# Altium PCB ГРЛМ.687253.024.PcbDoc (part 1 of 2)
Units mm, origin at the board's own origin, x right, y up, seen from the top; angles counter-clockwise.
Board outline 254 x 119 mm, 4 copper layers (Top Layer, GND, VCC, Bottom Layer), stack 1.65 mm thick; 204 components, 147 nets, 649 pads, 198 vias.
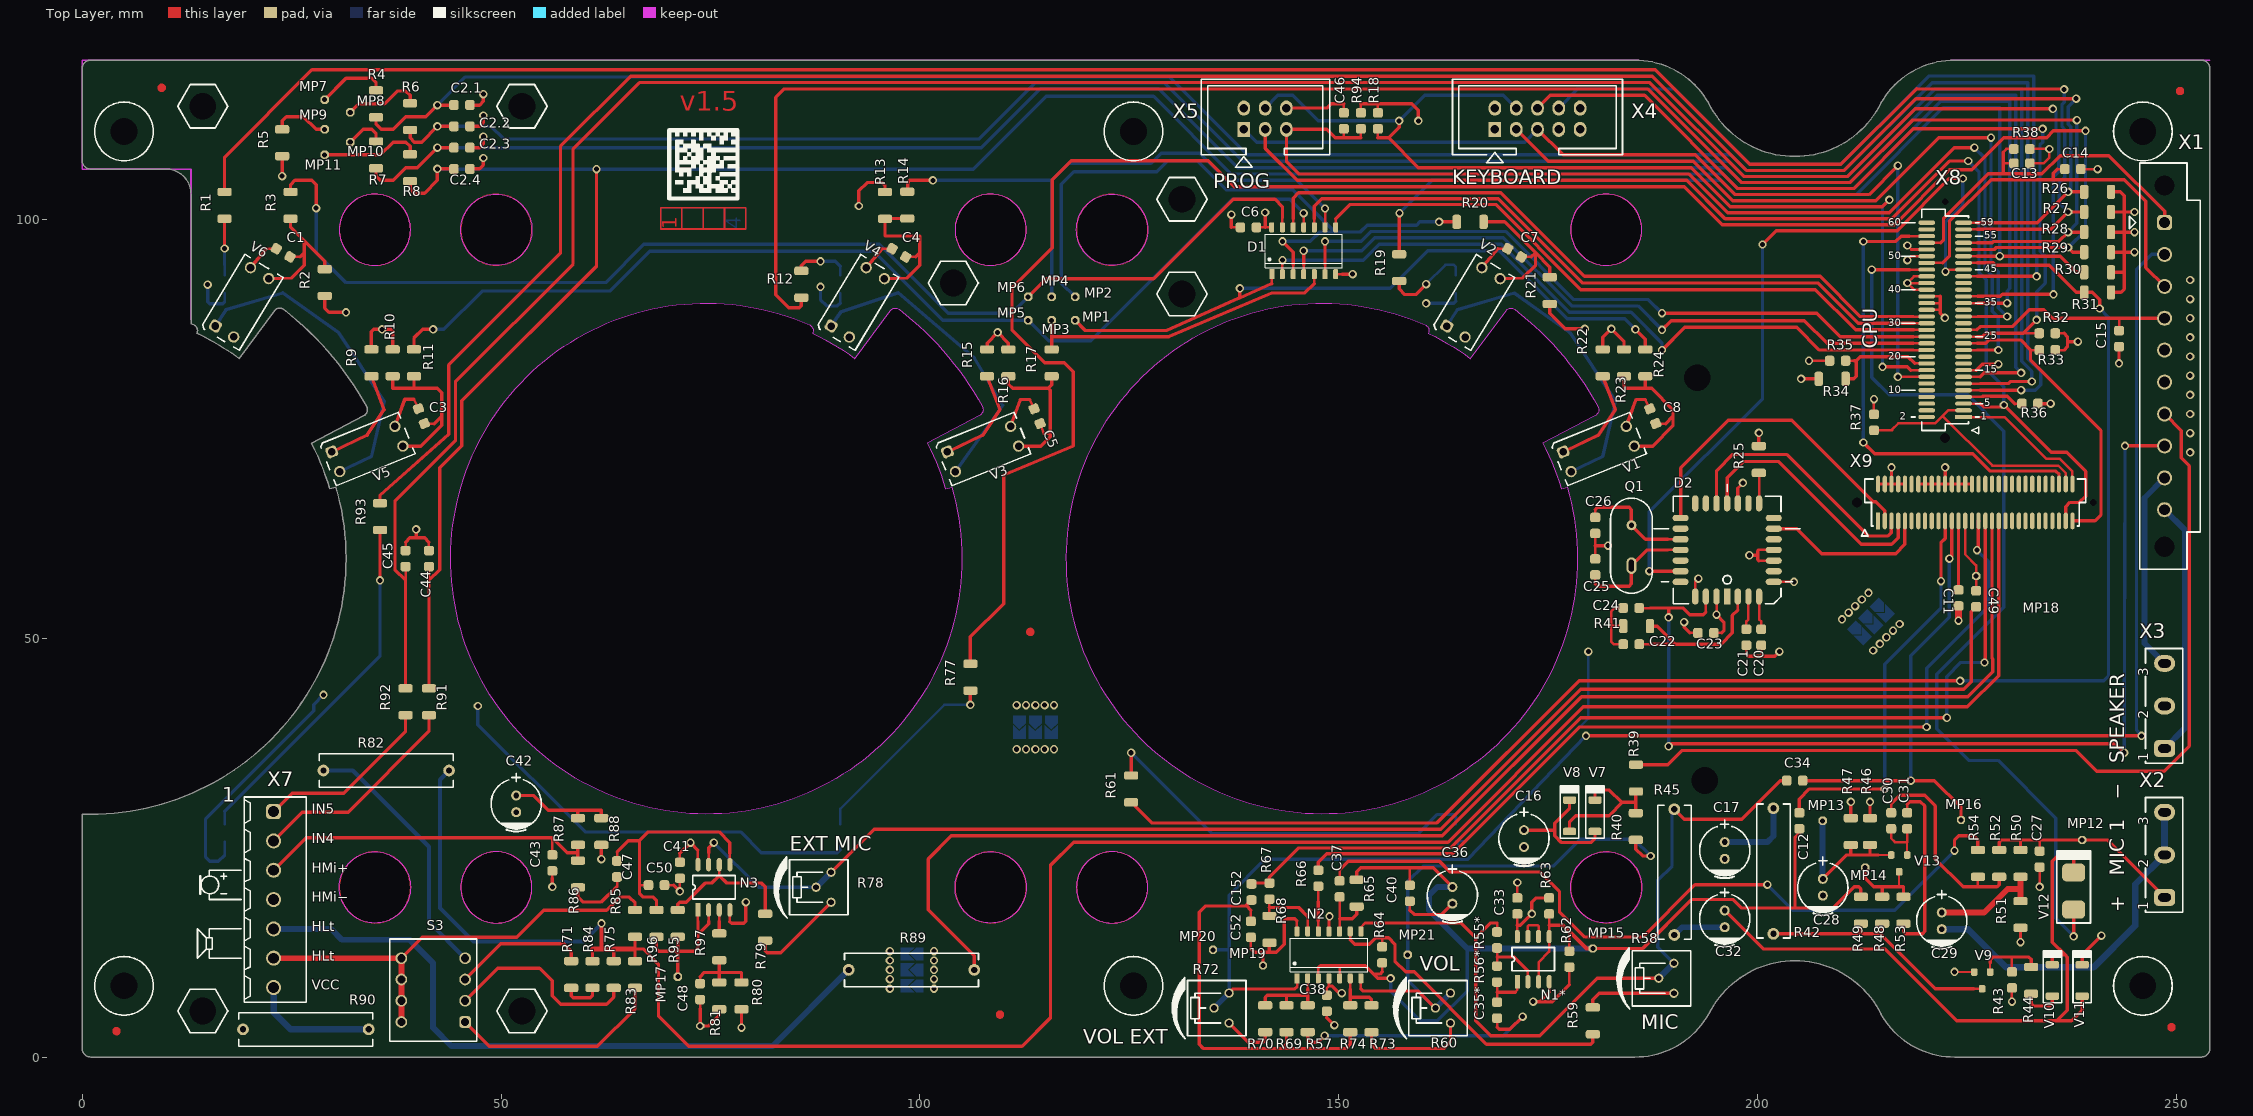
[diagram p0: Top Layer view]
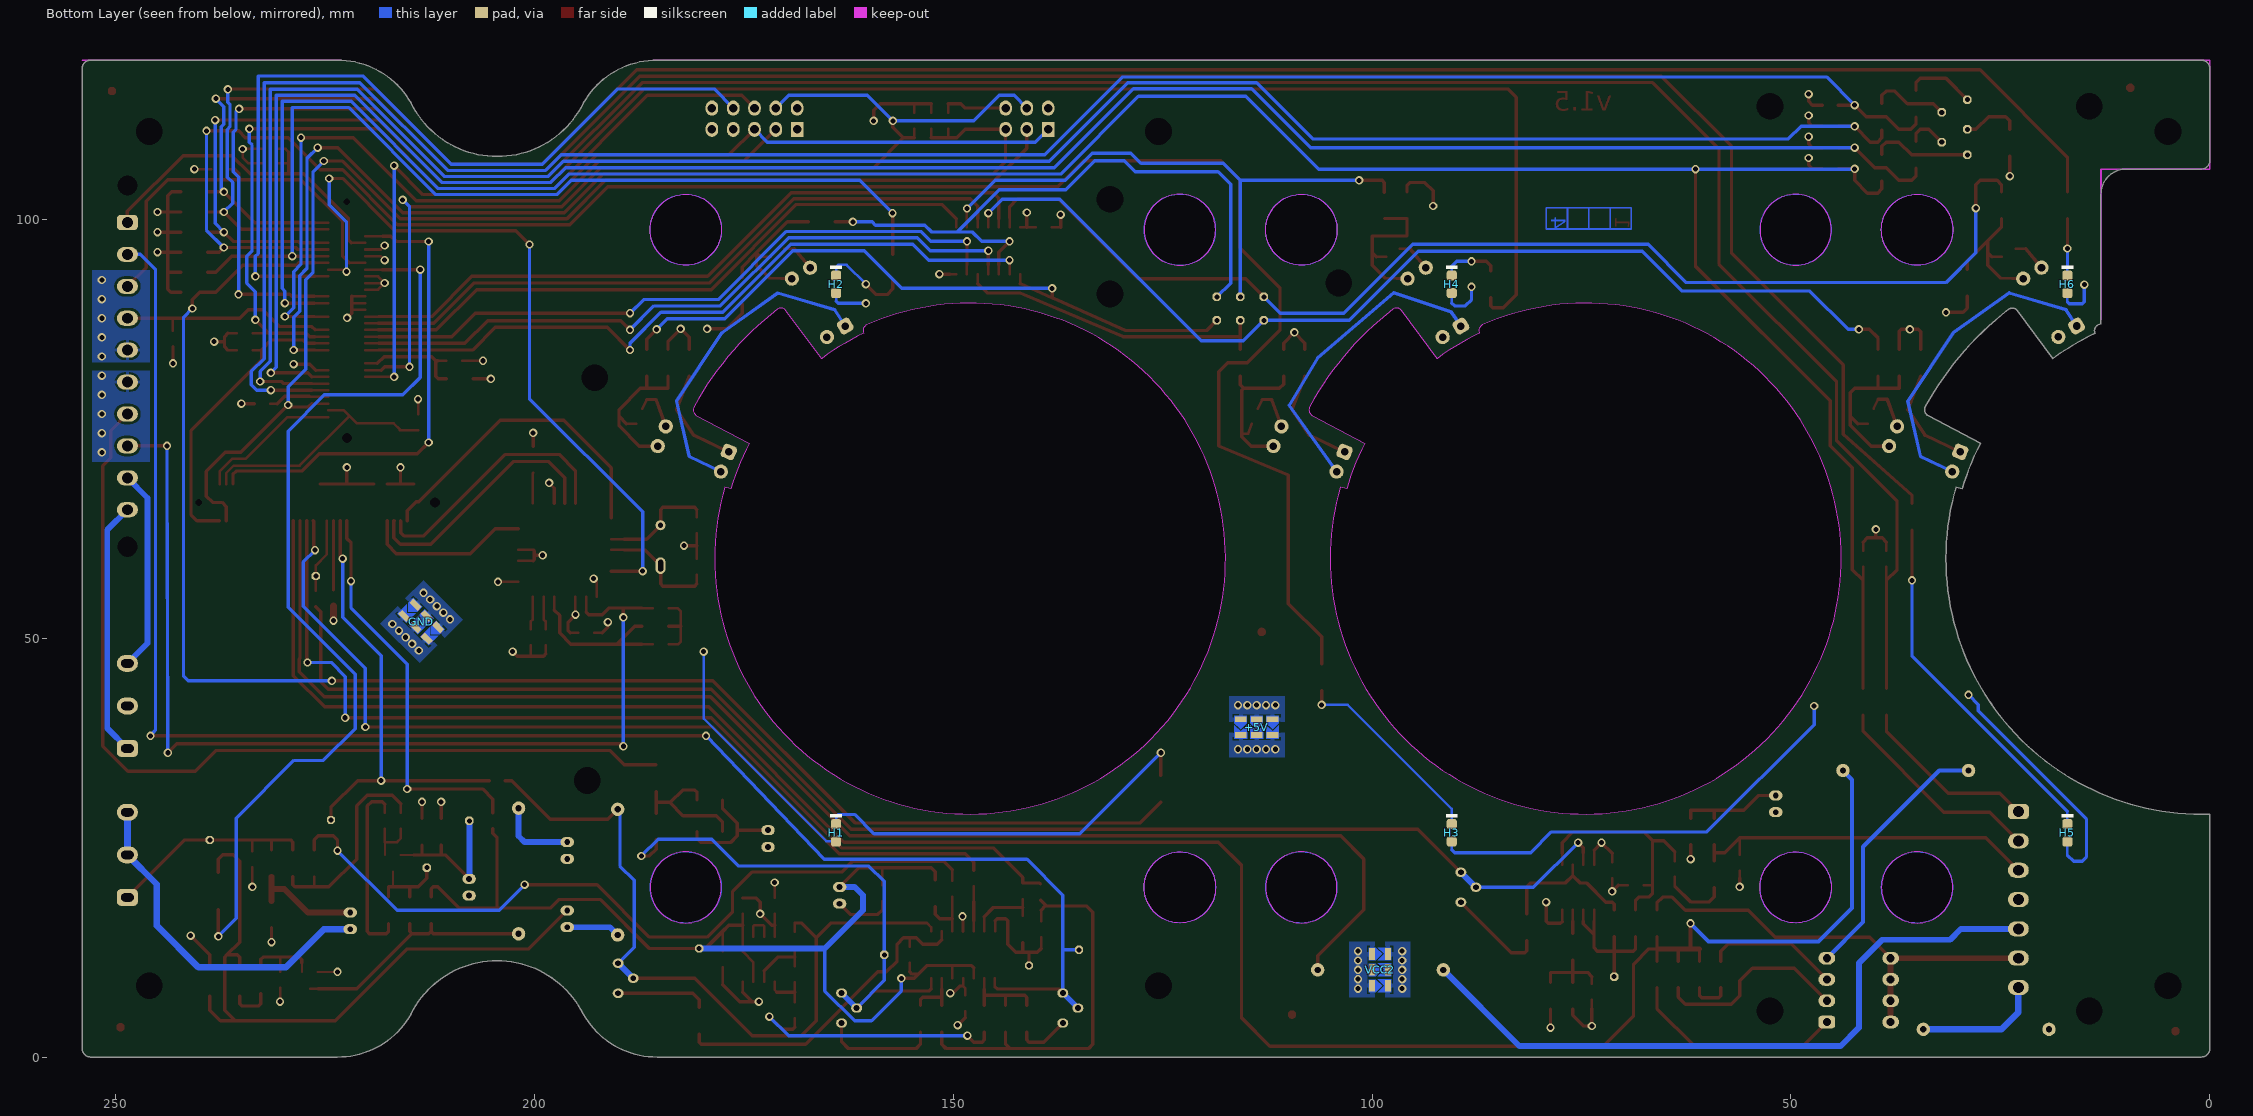
[diagram p1: Bottom Layer view, seen from below]
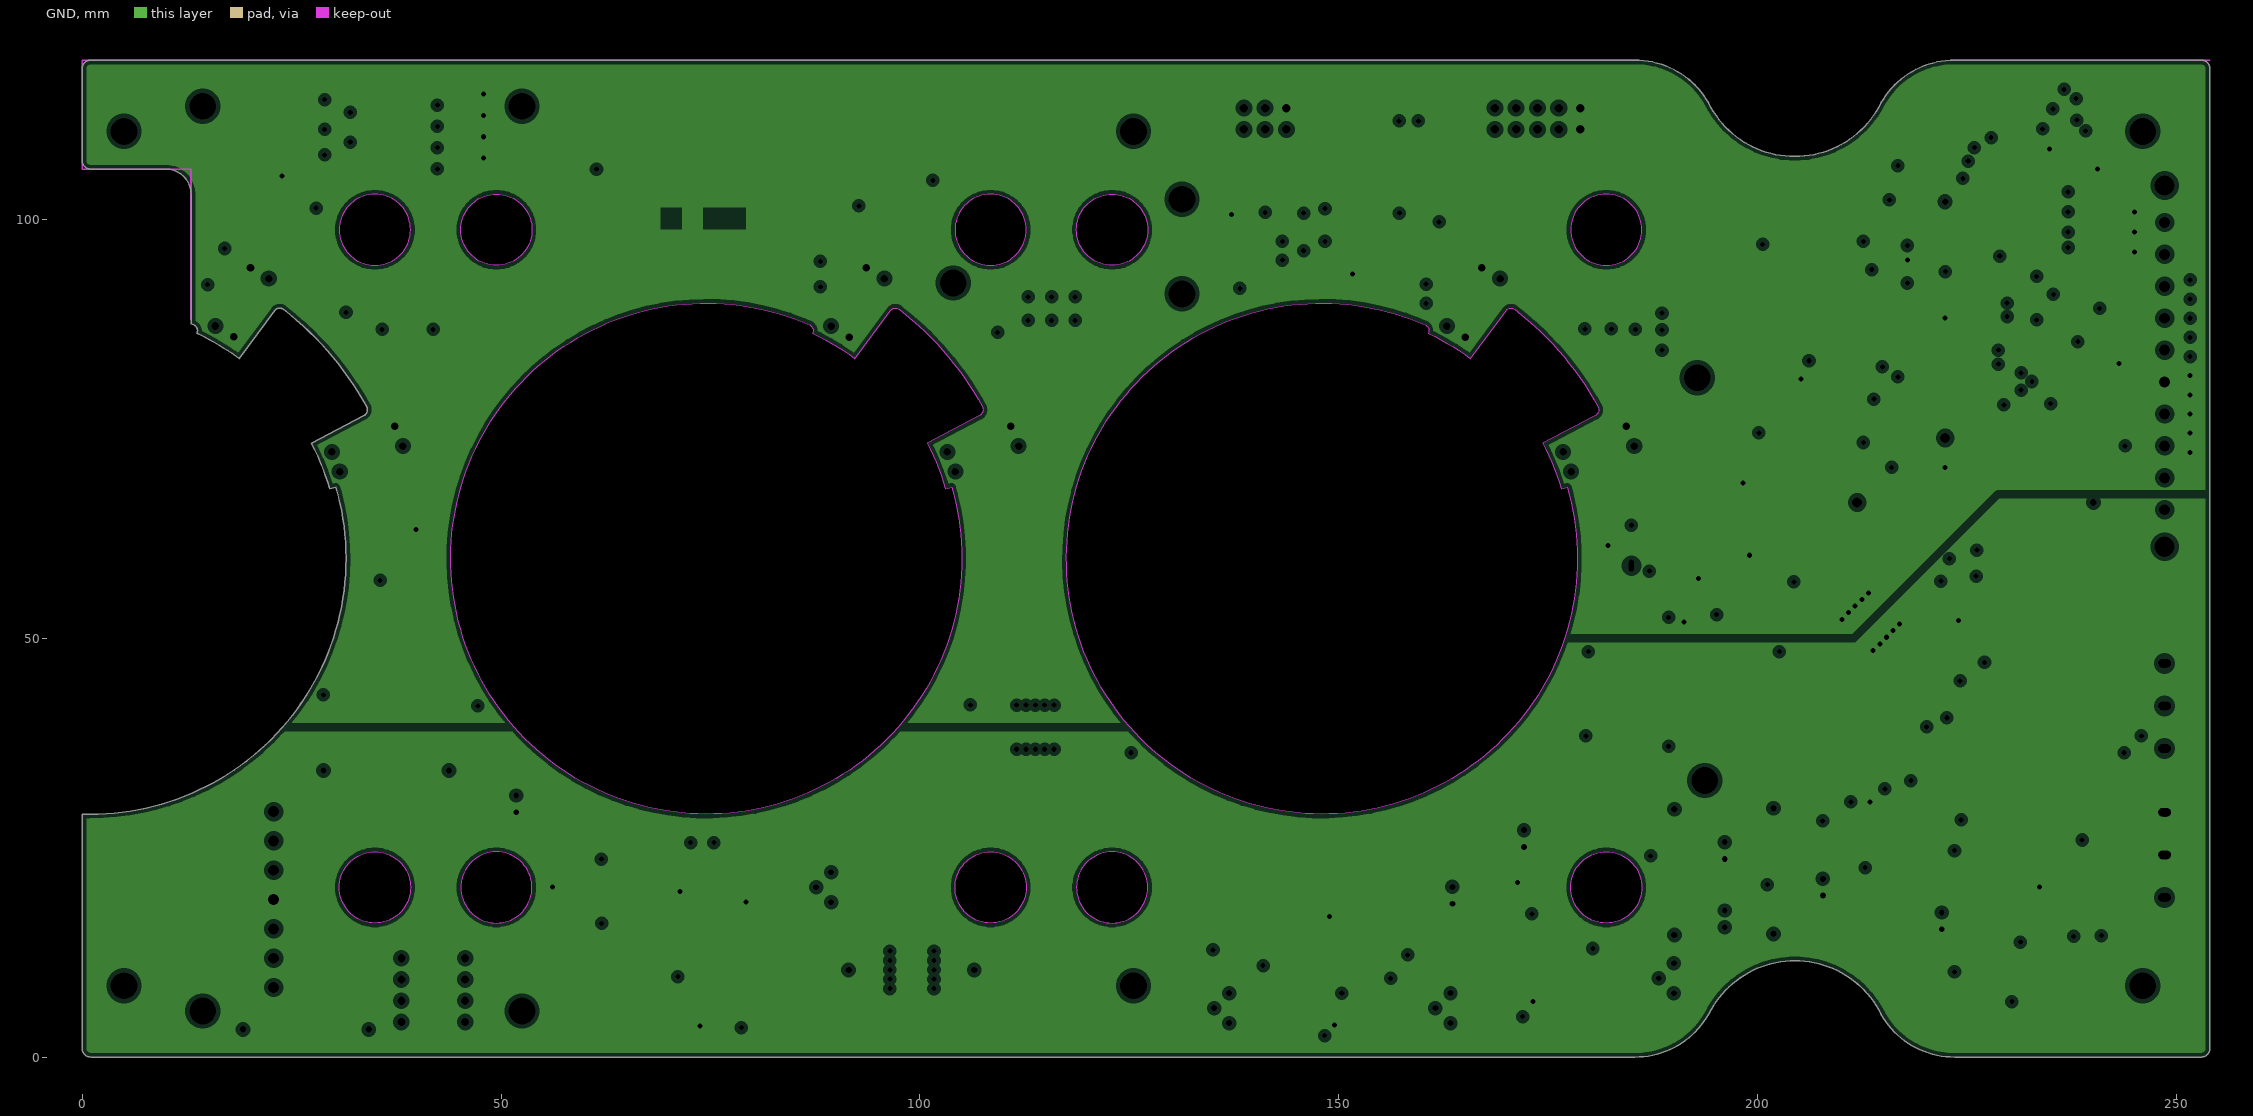
[diagram p2: GND, clearances drawn from the general rule]
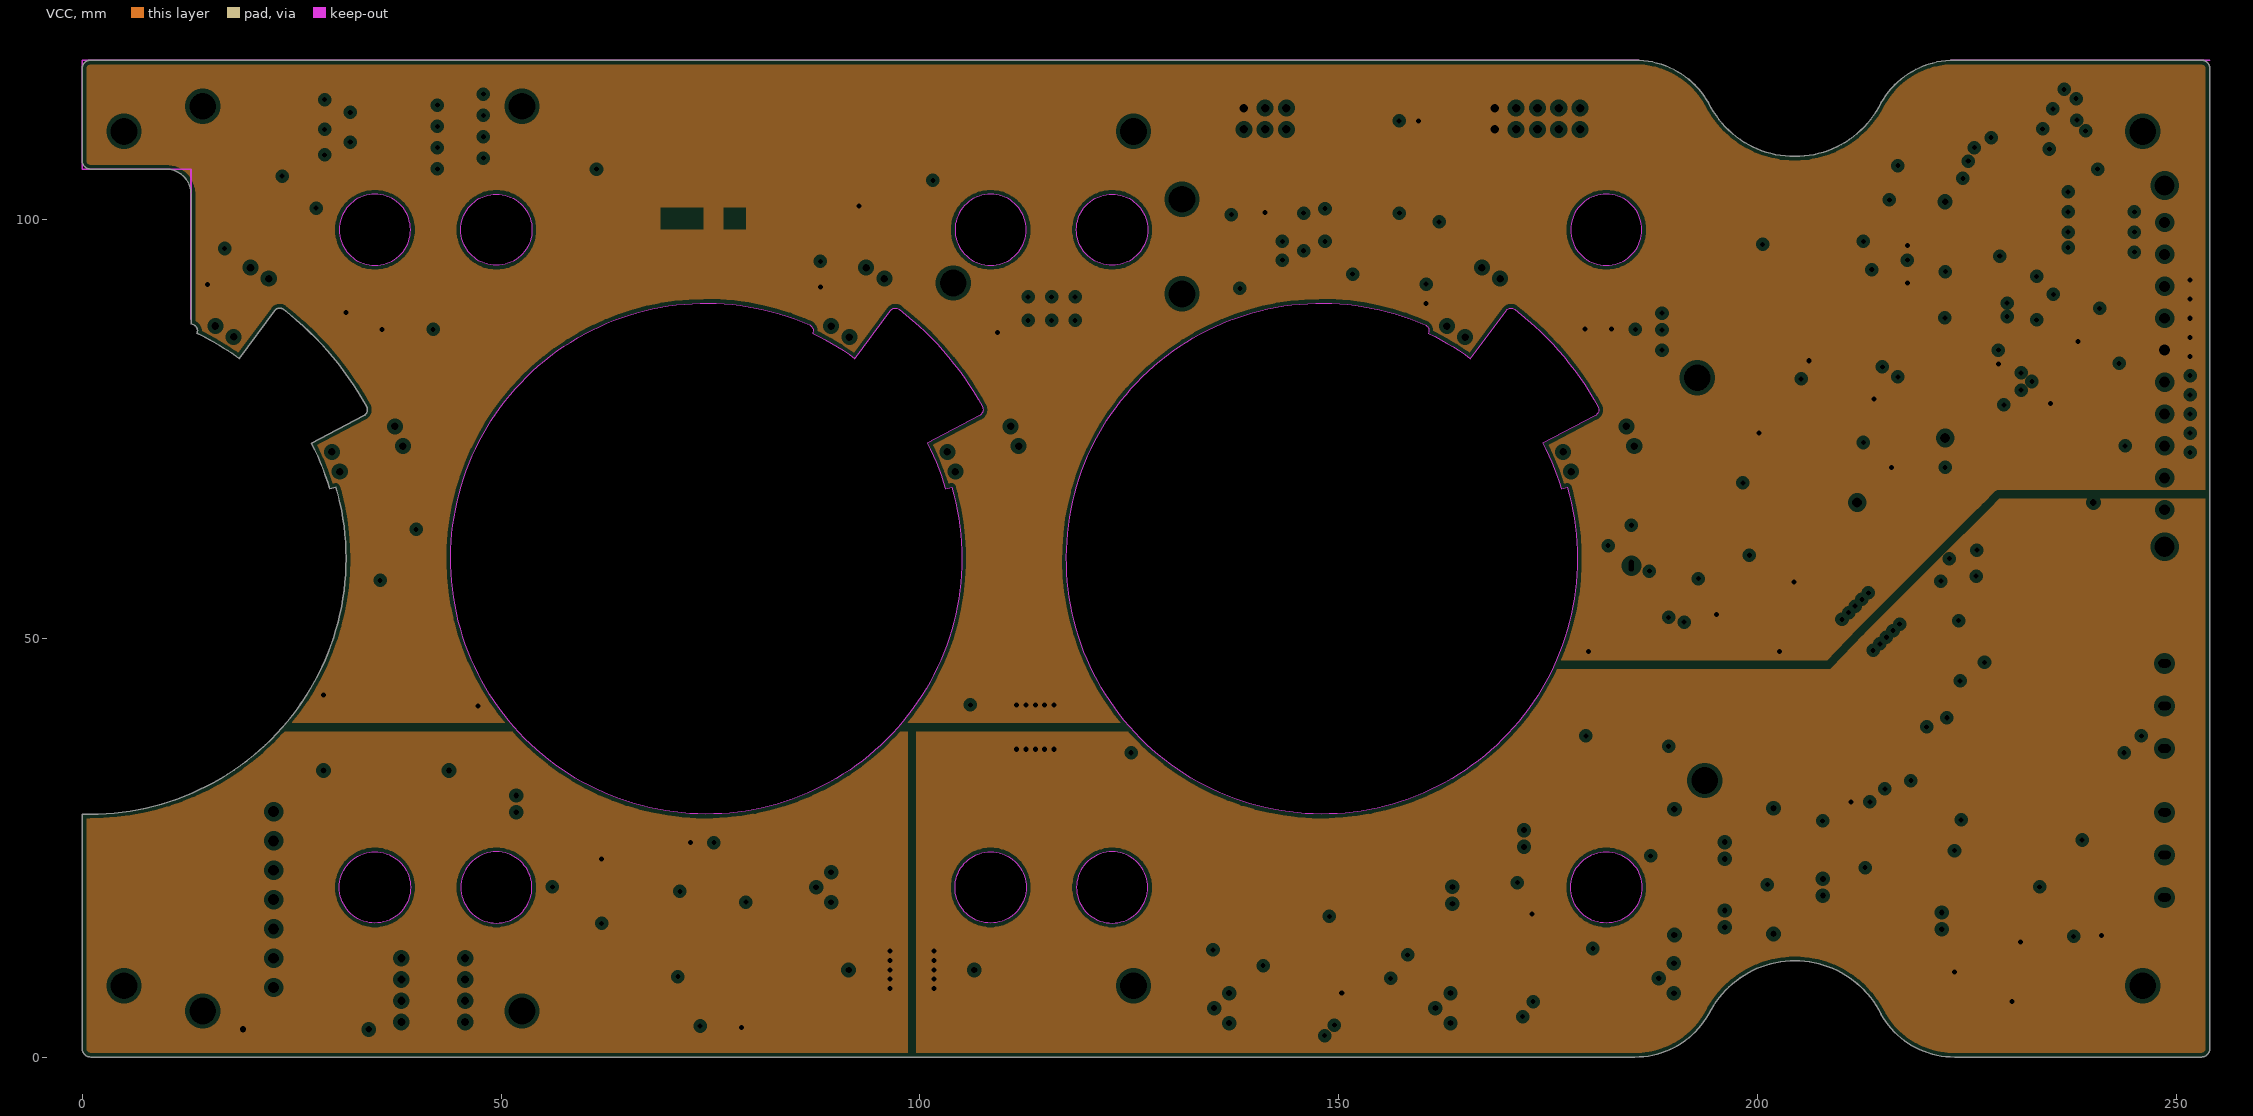
[diagram p3: VCC, clearances drawn from the general rule]

## Layer stack, top to bottom
Top Solder: solder mask 0.0102, Solder Resist, Dk 0
Top Layer: signal copper 0.035
Dielectric 6: prepreg 0.19, Composite dielectric, Dk 0
Dielectric 4: prepreg 0.125, Composite dielectric, Dk 0
Dielectric 2: prepreg 0.19, Composite dielectric, Dk 0
GND: plane copper 0.035, net (Multiple Nets)
Dielectric 1: core 0.5, FR-4, Dk 0
VCC: plane copper 0.035, net (Multiple Nets)
Dielectric 3: prepreg 0.19, Composite dielectric, Dk 0
Dielectric 5: prepreg 0.125, Composite dielectric, Dk 0
Dielectric 7: prepreg 0.19, Composite dielectric, Dk 0
Bottom Layer: signal copper 0.035
Bottom Solder: solder mask 0.0102, Solder Resist, Dk 0

## Board outline
0,1 0,29.01 ccw(c1,59.5) 30.288,68.036 30.282,68.034 29.558,67.836 ccw(c1,59.5) 27.362,73.287 33.606,76.551 ccw(c33.227,77.28) 33.955,77.659 ccw(c1,59.5) 24.015,89.268 ccw(c23.584,88.674) 22.99,89.104 18.738,83.386 ccw(c1,59.5) 13.702,86.404 ccw(c13.027,86.717) 13.34,87.392 13,87.547 13,103 ccw(c10,103) 10,106 1,106 cw(c1,107) 0,107 0,118 cw(c1,118) 1,119 185.367,119 cw(c185.43,109) 194.169,113.862 ccw(c204.45,119) 214.731,113.862 cw(c223.47,109) 223.533,119 253,119 cw(c253,118) 254,118 254,1 cw(c253,1) 253,0 253.007,0 223.533,0 cw(c223.47,10) 214.731,5.138 214.751,5.138 ccw(c204.47,0) 194.189,5.138 194.169,5.138 cw(c185.43,10) 185.367,0 1,0 cw(c1,1)
cut-out: 49.45,94.505 cw(c49.45,98.755) 45.2,98.755 cw(c49.45,98.755) 49.45,103.005 cw(c49.45,98.755) 53.7,98.755 cw(c49.45,98.755)
cut-out: 108.45,24.495 cw(c108.45,20.245) 112.7,20.245 cw(c108.45,20.245) 108.45,15.995 cw(c108.45,20.245) 104.2,20.245 cw(c108.45,20.245)
cut-out: 108.45,94.505 ccw(c108.45,98.755) 112.7,98.755 ccw(c108.45,98.755) 108.45,103.005 ccw(c108.45,98.755) 104.2,98.755 ccw(c108.45,98.755)
cut-out: 49.45,24.495 ccw(c49.45,20.245) 45.2,20.245 ccw(c49.45,20.245) 49.45,15.995 ccw(c49.45,20.245) 53.7,20.245 ccw(c49.45,20.245)
cut-out: 34.95,94.503 ccw(c34.95,98.753) 39.2,98.753 ccw(c34.95,98.753) 34.95,103.003 ccw(c34.95,98.753) 30.7,98.753 ccw(c34.95,98.753)
cut-out: 34.95,24.493 cw(c34.95,20.243) 39.2,20.243 cw(c34.95,20.243) 34.95,15.993 cw(c34.95,20.243) 30.7,20.243 cw(c34.95,20.243)
cut-out: 122.95,24.495 ccw(c122.95,20.245) 118.7,20.245 ccw(c122.95,20.245) 122.95,15.995 ccw(c122.95,20.245) 127.2,20.245 ccw(c122.95,20.245)
cut-out: 181.95,94.505 ccw(c181.95,98.755) 186.2,98.755 ccw(c181.95,98.755) 181.95,103.005 ccw(c181.95,98.755) 177.7,98.755 ccw(c181.95,98.755)
cut-out: 181.95,24.495 cw(c181.95,20.245) 186.2,20.245 cw(c181.95,20.245) 181.95,15.995 cw(c181.95,20.245) 177.7,20.245 cw(c181.95,20.245)
cut-out: 122.95,94.505 cw(c122.95,98.755) 118.7,98.755 cw(c122.95,98.755) 122.95,103.005 cw(c122.95,98.755) 127.2,98.755 cw(c122.95,98.755)
cut-out: 160.702,86.404 cw(c148,59.5) 165.738,83.386 169.99,89.104 cw(c170.584,88.674) 171.015,89.268 cw(c148,59.5) 180.955,77.659 cw(c180.227,77.28) 180.606,76.551 174.362,73.287 174.367,73.277 cw(c148,59.5) 176.558,67.836 177.282,68.034 cw(c148,59.5) 160.34,87.392 cw(c160.027,86.717)
cut-out: 87.202,86.404 cw(c74.5,59.5) 92.238,83.386 96.49,89.104 cw(c97.084,88.674) 97.515,89.268 cw(c74.5,59.5) 107.455,77.659 cw(c106.727,77.28) 107.106,76.551 100.862,73.287 100.867,73.277 cw(c74.5,59.5) 103.058,67.836 103.782,68.034 cw(c74.5,59.5) 86.84,87.392 cw(c86.527,86.717)

## Design rules (kind name [scope] priority, off if disabled: settings)
Clearance [All] p1: gap=0.3 ignorepadtopadclearanceinfootprint=TRUE except(1: Poly-Poly)
HoleSize [All] p1: absolutevalues=TRUE maxlimit=6 minlimit=0.025 maxpercent=80.000 minpercent=20.000
MinimumAnnularRing [All] p1: minimumring=0.2
MinimumSolderMaskSliver [All] p1: minsoldermaskwidth=0.09
PlaneClearance [All] p1: clearance=0.508
PlaneConnect [All] p1: pad.planeconnectstyle=Relief pad.reliefexpansion=0.35 pad.reliefentries=4 pad.reliefconductorwidth=0.3 pad.reliefairgap=0.3 via.planeconnectstyle=Direct via.reliefexpansion=0.35 via.reliefentries=4 via.reliefconductorwidth=0.3 via.reliefairgap=0.3
PolygonConnect PolygonConnect_CrosspointPCB [HasFootprint('Crossing point PCB')] p1: connectstyle=Relief reliefconductorwidth=0.5 reliefentries=4 polygonreliefangle="90 Angle" airgapwidth=0.254
PolygonConnect [All] p2: thpad.connectstyle=Relief thpad.reliefconductorwidth=0.4 thpad.reliefentries=4 thpad.polygonreliefangle="90 Angle" thpad.airgapwidth=0.254 smdpad.connectstyle=Relief smdpad.reliefconductorwidth=0.3 smdpad.reliefentries=4 smdpad.polygonreliefangle="90 Angle" smdpad.airgapwidth=0.254 via.connectstyle=Direct via.reliefconductorwidth=0.3 via.reliefentries=4 via.polygonreliefangle="90 Angle" via.airgapwidth=0.254
RoutingVias [All] p1: holewidth=0.6 width=0.75 viastyle="Through Hole" minholewidth=0.35 minwidth=0.8 maxholewidth=0.6 maxwidth=1.27 useviatemplates=TRUE viatemplateguid#1={F0DCE66A-9BB1-4DFF-993C-B0075496D578} viatemplatename#1=v100h60m0mx0
SilkToSilkClearance [All] p1: silktosilkclearance=0.1
SilkToSolderMaskClearance [IsPad] p1: minsilkscreentomaskgap=0.1 clearancetoexposedcopper=TRUE
SolderMaskExpansion [All] p1: expansion=0.102 istentingtop=FALSE
UnRoutedNet [All] p1: checkbadconnections=TRUE
Width [All] p1: maxlimit=1 minlimit=0.2 preferedwidth=0.3
23 further rules are at their usual default settings.

## Classes and differential pairs
component class "ГРЛМ.468332.031Э3 (Лист 1)": C11 C12 C17 C27 C28 C29 C30 C31 C32 C33 C34 C35* C36 C37 C40 C41 C42 C43 C47 C48 C49 C50 MP12 MP13 MP14 MP15 MP16 MP17 MP18 N1* N3 R42 R43 R44 R45 R46 R47 R48 R49 R50 R51 R52 R53 R54 R55* R56* R58 R59 R62 R63 R64 R65 R78 R79 R80 R81 R86 R87 R88 R90 R95 R96 R97 V9 V10 V11 V12 V13 VCC2 X2
component class "ГРЛМ.468332.031Э3 (Лист 2)": +5V C13 C14 C15 C16 C20 C21 C22 C23 C24 C25 C26 C38 C44 C45 C46 C52 C152 D2 GND MP19 MP20 MP21 N2 Q1 R18 R25 R32 R33 R34 R35 R37 R38 R39 R40 R41 R57 R60 R66 R67 R68 R69 R70 R71 R72 R73 R74 R75 R82 R83 R84 R85 R89 R91 R92 R94 S3 V7 V8 X1 X3 X7 X9
component class "ГРЛМ.468332.031Э3 (Лист 3)": C1 C2.1 C2.2 C2.3 C2.4 C3 C4 C5 C6 C7 C8 D1 H1 H2 H3 H4 H5 H6 MP1 MP2 MP3 MP4 MP5 MP6 MP7 MP8 MP9 MP10 MP11 R1 R2 R3 R4 R5 R6 R7 R8 R9 R10 R11 R12 R13 R14 R15 R16 R17 R19 R20 R21 R22 R23 R24 R26 R27 R28 R29 R30 R31 R36 R61 R77 R93 V1 V2 V3 V4 V5 V6 X4 X5 X8

## Components (designator, comment, footprint, x,y, rotation, side; value= is the part's Value field where it differs from the comment)
+5V "Crossing point PCB" "CROSSING POINT PCB" 113.792,39.37 r90 bottom
C1 "1nF/63V" "SMD Capacitor 0805" 24,96.005 r329 top
C2.1 "1nF/100V" "SMD Capacitor 0805" 45.332,113.64 r0 top
C2.2 "1nF/100V" "SMD Capacitor 0805" 45.332,111.1 r0 top
C2.3 "1nF/100V" "SMD Capacitor 0805" 45.332,108.56 r0 top
C2.4 "1nF/100V" "SMD Capacitor 0805" 45.332,106.02 r0 top
C3 "1nF/63V" "SMD Capacitor 0805" 40.5,76.505 r292 top
C4 "1nF/63V" "SMD Capacitor 0805" 97.5,96 r329 top
C5 "1nF/63V" "SMD Capacitor 0805" 114,76.5 r292 top
C6 "100nF/50V" "SMD Capacitor 0805" 139.226,99.044 r0 top
C7 "1nF/63V" "SMD Capacitor 0805" 171,96 r329 top
C8 "1nF/63V" "SMD Capacitor 0805" 187.5,76.5 r292 top
C11 "100nF/50V" "SMD Capacitor 0805" 224,54.8 r90 top
C12 "100nF/50V" "SMD Capacitor 0805" 205,28.194 r270 top
C13 "100nF/50V" "SMD Capacitor 0805" 231.56,106.683 r0 top
C14 "1.5nF/50V" "SMD Capacitor 0805" 237.64,106 r180 top
C15 "10nF/50V" "SMD Capacitor 0805" 243.16,85.76 r90 top
C16 "4.7µF/100V" "CAPACITOR  ELECTROLYTIC 5X11MM" 172.12,26.08 r270 top
C17 "4.7µF/100V" "CAPACITOR  ELECTROLYTIC 5X11MM" 196.088,24.654 r270 top
C20 "100nF/50V" "SMD Capacitor 0805" 200.444,50.12 r270 top
C21 "100nF/50V" "SMD Capacitor 0805" 198.666,50.12 r270 top
C22 "1.5nF/50V" "SMD Capacitor 0805" 184.92,49.28 r0 top
C23 "10nF/50V" "SMD Capacitor 0805" 193.84,50.628 r0 top
C24 "22nF/50V" "SMD Capacitor 0805" 184.92,53.6 r180 top
C25 "33pF/100V" "SMD Capacitor 0805" 180.632,58.502 r270 top
C26 "33pF/100V" "SMD Capacitor 0805" 180.632,63.455 r90 top
C27 "1nF/63V" "SMD Capacitor 0805" 233.68,23.622 r90 top
C28 "4.7µF/100V" "CAPACITOR  ELECTROLYTIC 5X11MM" 207.8,20.266 r270 top
C29 "4.7µF/100V" "CAPACITOR  ELECTROLYTIC 5X11MM" 221.996,16.256 r270 top
C30 "220nF/63V" "SMD Capacitor 0805" 215.966,28.194 r90 top
C31 "100nF/63V" "SMD Capacitor 0805" 217.866,28.194 r270 top
C32 "4.7µF/100V" "CAPACITOR  ELECTROLYTIC 5X11MM" 196.088,16.494 r270 top
C33 "10nF/50V" "SMD Capacitor 0805" 171.323,18.034 r270 top
C34 "10nF/50V" "SMD Capacitor 0805" 204.45,33 r0 top
C35* "100nF/50V" "SMD Capacitor 0805" 168.91,5.588 r270 top
C36 "1µF/100V" "CAPACITOR  ELECTROLYTIC 5X11MM" 163.576,19.304 r270 top
C37 "10nF/50V" "SMD Capacitor 0805" 150.114,20.066 r270 top
C38 "10nF/50V" "SMD Capacitor 0805" 148.59,6.411 r90 top
C40 "10nF/50V" "SMD Capacitor 0805" 158.496,19.558 r90 top
C41 "10nF/50V" "SMD Capacitor 0805" 71.356,22.298 r90 top
C42 "4.7µF/100V" "CAPACITOR  ELECTROLYTIC 5X11MM" 51.816,30.226 r270 top
C43 "1nF/63V" "SMD Capacitor 0805" 56.134,23.175 r90 top
C44 "1.5nF/50V" "SMD Capacitor 0805" 41.402,59.5 r270 top
C45 "1.5nF/50V" "SMD Capacitor 0805" 38.608,59.5 r270 top
C46 "1.5nF/50V" "SMD Capacitor 0805" 150.622,111.76 r270 top
C47 "100nF/63V" "SMD Capacitor 0805" 63.85,22.444 r270 top
C48 "220nF/63V" "SMD Capacitor 0805" 73.769,7.808 r90 top
C49 "10nF/50V" "SMD Capacitor 0805" 226.1,54.7 r90 top
C50 "1nF/63V" "SMD Capacitor 0805" 68.562,20.52 r180 top
C52 "1.0µF/16V" "SMD Capacitor 0805" 139.522,15.24 r270 top
C152 "1.0µF/16V" "SMD Capacitor 0805" 139.6,19.7 r90 top
D1 "74HC14D" SO14 145.83,96.25 r0 top locked
D2 "MT9172" "PLCC28 SMD" 196.38,60.534 r180 top locked
GND "Crossing point PCB" "CROSSING POINT PCB" 213.528,51.972 r135 bottom
H1 "FYLS-0805URC" "LED SMD FYLS-0805URC" 164,26.76 r90 bottom locked
H2 "FYLS-0805URC" "LED SMD FYLS-0805URC" 164,92.25 r90 bottom locked
H3 "FYLS-0805URC" "LED SMD FYLS-0805URC" 90.5,26.76 r90 bottom locked
H4 "FYLS-0805URC" "LED SMD FYLS-0805URC" 90.5,92.25 r90 bottom locked
H5 "FYLS-0805URC" "LED SMD FYLS-0805URC" 17,26.76 r90 bottom locked
H6 "FYLS-0805URC" "LED SMD FYLS-0805URC" 17,92.25 r90 bottom locked
MP1 "TestPoint SMD" "TEST POINT SMD" 118.536,87.948 r90 top
MP2 "TestPoint SMD" "TEST POINT SMD" 118.536,90.748 r90 top
MP3 "TestPoint SMD" "TEST POINT SMD" 115.736,87.948 r90 top
MP4 "TestPoint SMD" "TEST POINT SMD" 115.736,90.748 r90 top
MP5 "TestPoint SMD" "TEST POINT SMD" 112.936,87.948 r90 top
MP6 "TestPoint SMD" "TEST POINT SMD" 112.936,90.748 r90 top
MP7 "TestPoint SMD" "TEST POINT SMD" 28.956,114.3 r90 top
MP8 "TestPoint SMD" "TEST POINT SMD" 32.004,112.776 r90 top
MP9 "TestPoint SMD" "TEST POINT SMD" 28.956,110.744 r90 top
MP10 "TestPoint SMD" "TEST POINT SMD" 32.004,109.22 r90 top
MP11 "TestPoint SMD" "TEST POINT SMD" 28.956,107.696 r90 top
MP12 "TestPoint SMD" "TEST POINT SMD" 238.76,25.908 r0 top
MP13 "TestPoint SMD" "TEST POINT SMD" 207.772,28.194 r0 top
MP14 "TestPoint SMD" "TEST POINT SMD" 212.852,22.606 r0 top
MP15 "TestPoint SMD" "TEST POINT SMD" 180.34,12.954 r180 top
MP16 "TestPoint SMD" "TEST POINT SMD" 224.3,28.3 r270 top
MP17 "TestPoint SMD" "TEST POINT SMD" 71.102,9.6 r0 top
MP18 "TestPoint SMD" "TEST POINT SMD" 226.1,57.418 r0 top
MP19 "TestPoint SMD" "TEST POINT SMD" 140.97,10.922 r180 top
MP20 "TestPoint SMD" "TEST POINT SMD" 135,12.8 r180 top
MP21 "TestPoint SMD" "TEST POINT SMD" 158.242,12.192 r0 top
N1* "LMV358ID" "SO8 (SOIC-8)" 173.228,11.684 r90 top
N2 "LM2902D" SO14 148.844,12.192 r0 top
N3 "LMV358ID" "SO8 (SOIC-8)" 75.42,20.266 r90 top
Q1 "HC49-U 10.24MHz" "HC-49U QUARTZ CRYSTAL RESONATOR" 184.95,61.042 r270 top
R1 "1K" "SMD Resistor 1206" 17,101.669 r270 top
R2 "5.6K" "SMD Resistor 1206" 28.956,92.456 r270 top
R3 "390Ω" "SMD Resistor 1206" 24.876,101.669 r90 top
R4 "3.3K" "SMD Resistor 1206" 35.084,113.792 r270 top
R5 "330Ω" "SMD Resistor 1206" 23.876,109.144 r270 top
R6 "3.3K" "SMD Resistor 1206" 39.148,112.268 r270 top
R7 "3.3K" "SMD Resistor 1206" 35.084,107.696 r270 top
R8 "3.3K" "SMD Resistor 1206" 39.148,106.172 r270 top
R9 "560Ω" "SMD Resistor 1206" 34.528,82.873 r90 top
R10 "5.6K" "SMD Resistor 1206" 37.068,82.873 r90 top
R11 "390Ω" "SMD Resistor 1206" 39.608,82.873 r90 top
R12 "1K" "SMD Resistor 1206" 85.852,92.25 r90 top
R13 "5.6K" "SMD Resistor 1206" 95.836,101.664 r90 top
R14 "390Ω" "SMD Resistor 1206" 98.5,101.7 r90 top
R15 "560Ω" "SMD Resistor 1206" 108.028,82.868 r90 top
R16 "5.6K" "SMD Resistor 1206" 110.568,82.868 r90 top
R17 "390Ω" "SMD Resistor 1206" 115.736,82.868 r90 top
R18 "10K" "SMD Resistor 0805" 154.686,111.76 r270 top
R19 "1K" "SMD Resistor 1206" 157.226,94.234 r270 top
R20 "390Ω" "SMD Resistor 1206" 165.7,99.7 r180 top
R21 "5.6K" "SMD Resistor 1206" 175.2,91.5 r270 top
R22 "560Ω" "SMD Resistor 1206" 181.528,82.868 r90 top
R23 "5.6K" "SMD Resistor 1206" 184.068,82.868 r90 top
R24 "390Ω" "SMD Resistor 1206" 186.608,82.868 r90 top
R25 "5.6K" "SMD Resistor 1206" 200.162,71.329 r90 top
R26 "1.5K" "SMD Resistor 1206" 240.6,103.28 r180 top
R27 "1.5K" "SMD Resistor 1206" 240.6,100.88 r180 top
R28 "1.5K" "SMD Resistor 1206" 240.6,98.48 r180 top
R29 "1.5K" "SMD Resistor 1206" 240.6,96.08 r180 top
R30 "1.5K" "SMD Resistor 1206" 240.6,93.68 r180 top
R31 "1.5K" "SMD Resistor 1206" 240.6,91.28 r180 top
R32 "10K" "SMD Resistor 0805" 234.6,86.4 r180 top
R33 "10K" "SMD Resistor 0805" 234.6,84.4 r180 top
R34 "100K" "SMD Resistor 1206" 208.915,80.96 r0 top
R35 "10K" "SMD Resistor 0805" 209.56,83.12 r0 top
R36 "10K" "SMD Resistor 0805" 232.52,78 r180 top
R37 "10K" "SMD Resistor 0805" 213.906,75.773 r270 top
R38 "220K" "SMD Resistor 0805" 231.56,108.4 r0 top
R39 "2.2K" "SMD Resistor 1206" 185.5,33.3 r90 top
R40 "1K" "SMD Resistor 1206" 185.48,27.52 r90 top
R41 "390Ω" "SMD Resistor 1206" 185.565,51.44 r0 top
R42 "220Ω" "Resistor FMP100 1W Yageo" 201.9,22.2 r270 top
R43 "22K" "SMD Resistor 0805" 230.378,9.205 r270 top
R44 "680Ω" "SMD Resistor 1206" 232.664,9.144 r90 top
R45 "750Ω" "Resistor FMP100 1W Yageo" 190.076,22.072 r270 top
R46 "68K" "SMD Resistor 1206" 213.426,26.914 r270 top
R47 "15K" "SMD Resistor 1206" 211.14,26.914 r90 top